# KiCad board BPS-Leader.kicad_pcb (continued)
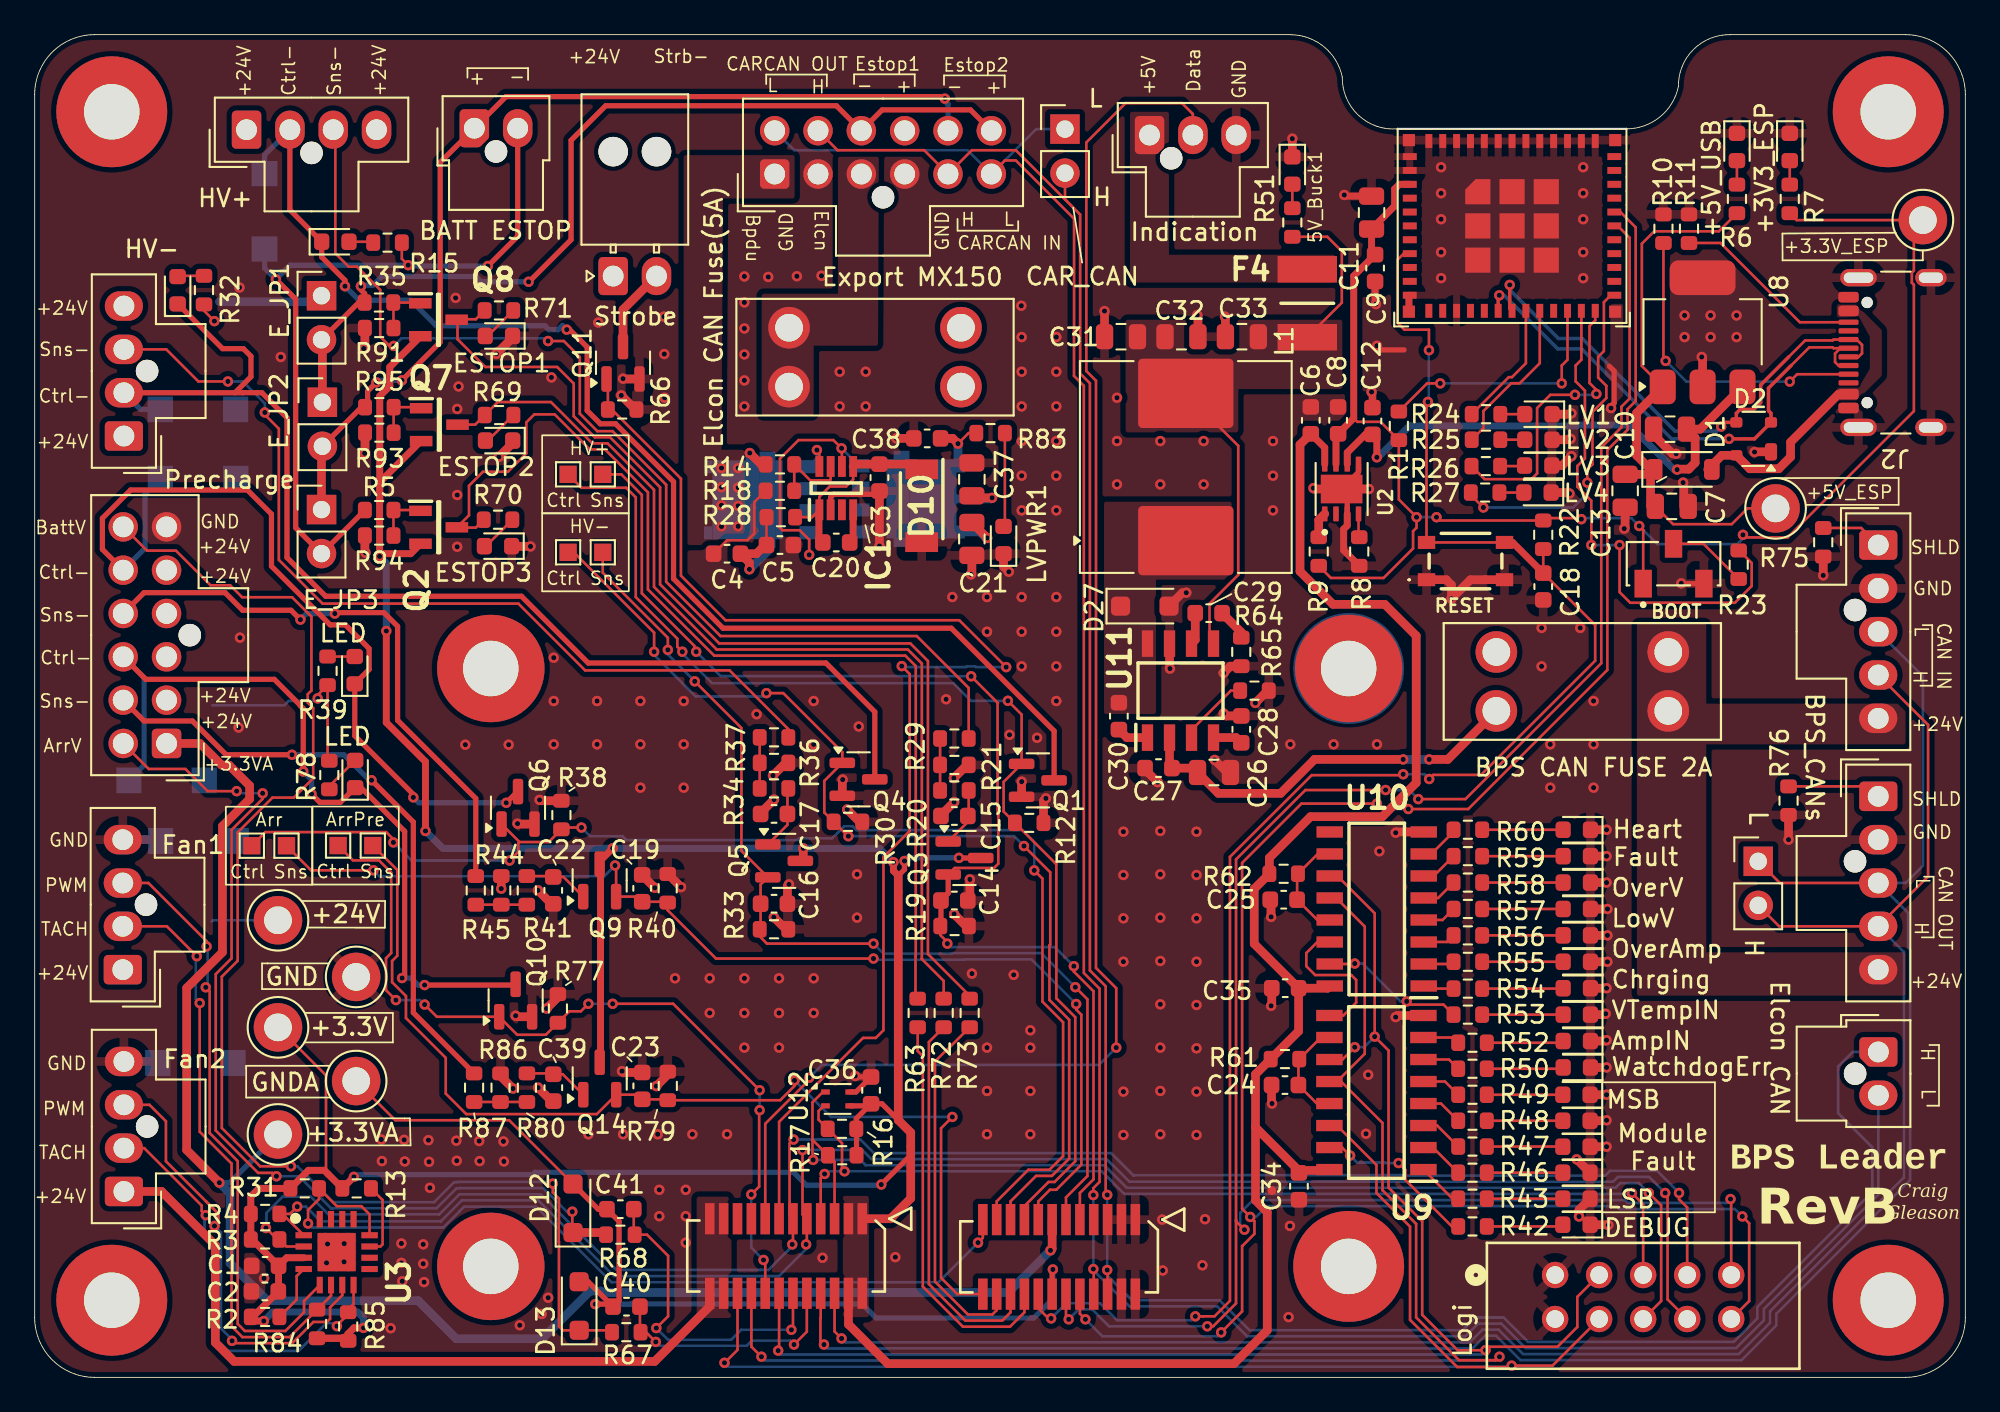
[diagram p0: board, top side]
## Library data of the parts (continued)
J15 J16 = -: Description: Generic connector, single row, 01x05, script generated (kicad-library-utils/schlib/autogen/connector/); ki_fp_filters: Connector*:*_1x??_*
J18 = -: Datasheet: https://tools.molex.com/pdm_docs/sd/1053091303_sd.pdf; Description: Generic connector, single row, 01x03, script generated (kicad-library-utils/schlib/autogen/connector/); Manufactuerer: Molex; P/N: 105309-1303; ki_fp_filters: Connector*:*_1x??_*
J21 = -: Datasheet: https://s3.amazonaws.com/catalogspreads-pdf/PAGE123%20.100%20SFH11%20SERIES%20FEMALE%20HDR%20ST%20RA.pdf; Description: Connector interfacing with logic analyzers; Manufactuerer: Sullins Connector Solutions; ki_fp_filters: CONN_SFH11-xxxC-D05-ST-XX_SUL
L1 = -: Datasheet: https://www.mouser.com/datasheet/2/597/mss1246-270708.pdf; Description: Inductor; P/N: MSS1246-104MLC; Manufactuerer: Coilcraft; ki_fp_filters: Choke_* *Coil* Inductor_* L_*
LOGO1-LOGO4 = -: Description: Graph footprint placeholder
LVPWR1 = -: Description: Light emitting diode; Sim.Pins: 1=K 2=A; P/N: XL-1608UBC-06A; LCSC: C7371904; ki_fp_filters: LED* LED_SMD:* LED_THT:*
Q1 Q3-Q6 Q9-Q11 Q14 = -: Datasheet: https://www.infineon.com/dgdl/irlml0030pbf.pdf?fileId=5546d462533600a401535664773825df; Description: 5.3A Id, 30V Vds, 27mOhm Rds, N-Channel HEXFET Power MOSFET, SOT-23; LCSC: C67272; ki_fp_filters: SOT?23*
Q2 Q7 Q8 = -: Datasheet: https://www.vishay.com/docs/62255/sq2315ces.pdf; Description: MOSFETs P-CHANNEL 12-V (D-S) 175C MOSFET; Height: 1.12; Mouser Part Number: 78-SQ2315CES-T1_GE3; Mouser Price/Stock: https://www.mouser.co.uk/ProductDetail/Vishay/SQ2315CES-T1_GE3?qs=%252BHhoWzUJg4LHCHfqrDPvWg%3D%3D; Manufacturer_Name: Vishay; LCSC: C10487
Q12 Q13 = -: Datasheet: https://www.mouser.com/catalog/specsheets/onsemi_02-27-2025_NVMFWS1D7N04XM-D.pdf; Description: 1 N-Channel MOSFETs 40V 154A Id 1.65mOhm Rds 3.5-20V Vgs; LCSC: C133142
R1 = -: Description: Resistor, US symbol; LCSC: C25804; ki_fp_filters: R_*
R2 R5 R13 R35 R95 = -: Datasheet: https://www.vishay.com/docs/20035/dcrcwe3.pdf; Description: Resistor, US symbol; Manufactuerer: Vishay; P/N: CRCW060310K0FKEI; LCSC: C844778; ki_fp_filters: R_*
R3 R4 R9 R12 R16 R17 R19 R21-R23 R29-R31 R33 R36-R38 R40 R44 R45 R63 R66 R72 R73 R77 R79 R86 R87 R91 R93 R94 = -: Datasheet: https://www.vishay.com/docs/20035/dcrcwe3.pdf; Description: Resistor, US symbol; Manufactuerer: Vishay; P/N: CRCW060310K0FKEI; LCSC: C25804; ki_fp_filters: R_*
R6 R8 = -: Datasheet: https://www.vishay.com/doc?20035; Description: Resistor, US symbol; Manufactuerer: Vishay; P/N: CRCW06031K00FKEI; LCSC: C21190; ki_fp_filters: R_*
R7 R42 R43 R46-R50 R52-R60 = -: Datasheet: https://www.vishay.com/doc?20035; Description: Resistor, US symbol; Manufactuerer: Vishay; P/N: CRCW1206470RFKEA; LCSC: C23179; ki_fp_filters: R_*
R10 R11 = -: Datasheet: https://www.vishay.com/doc?20035; Description: Resistor, US symbol; Manufactuerer: Vishay; P/N: CRCW06035K10FKEC; LCSC: C23186; ki_fp_filters: R_*
R14 = -: Description: Resistor, US symbol; P/N: MCT06030C2003FP500; Mouser Part Number: 594-MCT06030C2003FP5; LCSC: C25811; ki_fp_filters: R_*
R15 R32 R39 R78 = -: Datasheet: https://www.vishay.com/docs/20035/dcrcwe3.pdf; Description: Resistor, US symbol; Manufactuerer: Vishay; P/N: CRCW06034K30FKEA; LCSC: C2907165; ki_fp_filters: R_*
R18 = -: Description: Resistor, US symbol; P/N: MCT06030C9091FP500; Mouser Part Number: 594-MCT06030C9091FP5; LCSC: C3016444; ki_fp_filters: R_*
R20 R34 R41 R80 = -: Datasheet: https://www.vishay.com/docs/20035/dcrcwe3.pdf; Description: Resistor, US symbol; Manufactuerer: Vishay; P/N: CRCW060310K0FKEI; LCSC: C21190; ki_fp_filters: R_*
R24-R27 R69-R71 = -: Datasheet: https://www.vishay.com/docs/20035/dcrcwe3.pdf; Description: Resistor, US symbol; Manufactuerer: Vishay; P/N: CRCW0603120RFKEC; LCSC: C23179; ki_fp_filters: R_*
R28 R61 R62 = -: Description: Resistor, US symbol; P/N: CRCW060310K0FKEI; Mouser Part Number: 71-CRCW060310K0FKEI; LCSC: C25804; ki_fp_filters: R_*
R51 R67 R68 = -: Description: Resistor, US symbol; P/N: CRCW06031K00FKEI; Mouser Part Number: 71-CRCW06031K00FKEI; LCSC: C21190; ki_fp_filters: R_*
R64 = -: Datasheet: https://www.vishay.com/docs/20035/dcrcwe3.pdf; Description: Resistor; P/N: CRCW060316K0FKTA; Manufactuerer: Vishay; LCSC: C137788; ki_fp_filters: R_*
R65 = -: Description: Resistor; ki_fp_filters: R_*
R75 R76 = -: Datasheet: https://www.vishay.com/docs/20035/dcrcwe3.pdf; Description: Resistor, US symbol; Manufactuerer: Vishay; P/N: CRCW060310K0FKEI; LCSC: C21189; ki_fp_filters: R_*
R83 = -: Description: Resistor, US symbol; P/N: CRCW060310K0FKEI; Mouser Part Number: 71-CRCW060310K0FKEI; LCSC: C2907165; ki_fp_filters: R_*
R84 R85 = -: Datasheet: https://www.vishay.com/doc?20035; Description: Resistor, US symbol; Manufactuerer: Vishay; P/N: CRCW06035K10FKEC; LCSC: C25804; ki_fp_filters: R_*
SW1 = -: Datasheet: https://www.omron.com/ecb/products/pdf/en-b3sl.pdf; Description: MEC 5G single pole normally-open tactile switch; Manufactuerer: Omron Electronics; P/N: B3SL-1002P; LCSC: C2886926; ki_fp_filters: SW*MEC*5G*
SW2 = -: Datasheet: https://www.nidec-copal-electronics.com/e/catalog/switch/cjs.pdf; Description: Switch, single pole double throw; Manufactuerer: Nidec Components; P/N: CJS-1200TA; LCSC: C2921628
TP1 TP4 TP5 TP7 TP9 TP11 TP13 TP14 TP16 TP17 TP30 TP31 TP33 TP47 TP48 = -: Description: test point; ki_fp_filters: Pin* Test*
TP2 TP3 = -: Description: 2-polar test point; ki_fp_filters: Pin* Test*
U1 = -: Datasheet: https://www.mouser.com/datasheet/3/1574/1/esp32-c6-mini-1_datasheet_en.pdf; Description: ESP32-C6-MINI-1 is a module that supports 2.4 GHz Wi-Fi 6 (802.11 ax), Bluetooth® 5 (LE), Zigbee and Thread (802.15.4); Manufactuerer: Espressif Systems; P/N: ESP32-C6-MINI-1U; LCSC: C5736265
U2 = -: Datasheet: https://www.ti.com/lit/gpn/tps2115a; Description: 2.8-5.5-V, 84-m?, 1.25-A, power mux with manual, automatic switchover and status output 8-SON -40 to 85; MF: Texas Instruments; MOUSER-PURCHASE-URL: https://snapeda.com/shop?store=Mouser&id=391793; PACKAGE: VSON-8 Texas Instruments; PRICE: None; TEXAS_INSTRUMENTS-PURCHASE-URL: https://snapeda.com/shop?store=Texas+Instruments&id=391793; AVAILABILITY: Warning; Manufactuerer: Texas Instruments; LCSC: C140321
U3 = -: Datasheet: https://ww1.microchip.com/downloads/aemDocuments/documents/MSLD/ProductDocuments/DataSheets/EMC2301-2-3-5-Data-Sheet-DS20006532A.pdf; Manufactuerer: Microchip Technology; LCSC: C621415; ki_fp_filters: QFN16_4x4MC_MCH QFN16_4x4MC_MCH-M QFN16_4x4MC_MCH-L
U8 = -: Datasheet: https://www.analog.com/media/en/technical-documentation/data-sheets/1963aff.pdf; Description: 3.3V, 1.5A, Low Noise, Fast Transient Response LDO Regulator, SOT-223; Manufactuerer: Analog Devices; LCSC: C145411; ki_fp_filters: SOT*223*
U9 = -: Datasheet: https://www.ti.com/lit/ds/symlink/sn74hc594.pdf; Description: 8-Bit Shift Registers With Output Registers; Manufactuerer: Texas Instruments; LCSC: C91727; ki_fp_filters: DIP*W7.62mm* SOIC*3.9x9.9mm*P1.27mm* TSSOP*4.4x5mm*P0.65mm* SOIC*5.3x10.2mm*P1.27mm* SOIC*7.5x10.3mm*P1.27mm*
U10 = -: Datasheet: https://www.ti.com/lit/gpn/sn74hc594; Description: 8-Bit Shift Registers With Output Registers; Manufactuerer: Texas Instruments; LCSC: C91727; ki_fp_filters: DIP*W7.62mm* SOIC*3.9x9.9mm*P1.27mm* TSSOP*4.4x5mm*P0.65mm* SOIC*5.3x10.2mm*P1.27mm* SOIC*7.5x10.3mm*P1.27mm*
U11 = -: Datasheet: https://www.ti.com/lit/ds/symlink/tps5405.pdf?HQS=dis-dk-null-digikeymode-dsf-pf-null-wwe&ts=1744490234630&ref_url=https%253A%252F%252Fwww.ti.com%252Fgeneral%252Fdocs%252Fsuppproductinfo.tsp%253FdistId%253D10%2526gotoUrl%253Dhttps%253A%252F%252Fwww.ti.com%252Flit%252Fgpn%252Ftps5405; Description: Buck Switching Regulator IC Positive Fixed 5V; Manufactuerer: Texas Instruments; LCSC: C488409; ki_fp_filters: D0008A-IPC_A D0008A-IPC_B D0008A-IPC_C D0008A-MFG
U12 = -: Datasheet: https://sensirion.com/media/documents/33FD6951/624C4357/Datasheet_SHT4x.pdf; Description: Digital Humidity and Temperature Sensor, ±1%RH, ±0.1°C, I2C, 1.08-3.6V, 16bit, DFN-4; Manufactuerer: Sensirion; P/N: SHT45-AD1B-R2; LCSC: C5221601; ki_fp_filters: Sensirion?DFN*1.5x1.5mm*P0.8mm*SHT4x*

## Footprints (pads in the part's own frame, mm; a bottom-side part is the same pattern mirrored in y, then rotated)
3568
  round 2.4 hole 1.6: 1(-4.96,1.7) 1(-4.96,-1.7) 2(4.96,1.7) 2(4.96,-1.7)
C_0603_1608Metric
  rrect 0.9x0.95 smd: 1(-0.775,0) 2(0.775,0)
C_0805_2012Metric
  rrect 1x1.45 smd: 1(-0.95,0) 2(0.95,0)
CONN_SFH11-xxxC-D05-ST-XX_SUL
  round 1.524 hole 1.016: 1(0,0) 2(0,-2.54) 3(2.54,0) 4(2.54,-2.54) 5(5.08,0) 6(5.08,-2.54) 7(7.62,0) 8(7.62,-2.54) 9(10.16,0) 10(10.16,-2.54)
D_SOD-123
  rrect 0.9x1.2 smd: 1(-1.65,0) 2(1.65,0)
D_SOD-123F
  rrect 1.1x1.1 smd: 1(-1.4,0) 2(1.4,0)
ESP32-C6-MINI-1
  rect 0.8x0.4 smd: 1(-5.9,1.3) 2(-5.9,0.5) 3(-5.9,-0.3) 4(-5.9,-1.1) 5(-5.9,-1.9) 6(-5.9,-2.7) 7(-5.9,-3.5) 8(-5.9,-4.3) 9(-5.9,-5.1) 10(-5.9,-5.9) 11(-5.9,-6.7) 25(5.9,-6.7) 26(5.9,-5.9) 27(5.9,-5.1) 28(5.9,-4.3) 29(5.9,-3.5) 30(5.9,-2.7) 31(5.9,-1.9) 32(5.9,-1.1) 33(5.9,-0.3) 34(5.9,0.5) 35(5.9,1.3)
  rect 0.4x0.8 smd: 12(-4.8,-7.6) 13(-4,-7.6) 14(-3.2,-7.6) 15(-2.4,-7.6) 16(-1.6,-7.6) 17(-0.8,-7.6) 18(0,-7.6) 19(0.8,-7.6) 20(1.6,-7.6) 21(2.4,-7.6) 22(3.2,-7.6) 23(4,-7.6) 24(4.8,-7.6) 36(4.8,2.2) 37(4,2.2) 38(3.2,2.2) 39(2.4,2.2) 40(1.6,2.2) 41(0.8,2.2) 42(0,2.2) 43(-0.8,2.2) 44(-1.6,2.2) 45(-2.4,2.2) 46(-3.2,2.2) 47(-4,2.2) 48(-4.8,2.2)
  custom 1.45x1.45 smd: 49(-1.975,-0.725)
  rect 1.45x1.45 smd: 49(-1.975,-2.7) 49(-1.975,-4.675) 49(0,-0.725) 49(0,-2.7) 49(0,-4.675) 49(1.975,-0.725) 49(1.975,-2.7) 49(1.975,-4.675)
  rect 0.7x0.7 smd: 50(5.95,2.25) 51(5.95,-7.65) 52(-5.95,-7.65) 53(-5.95,2.25)
FUSC4632X165N
  rect 1.53x3.43 smd: 1(-1.96,0) 2(1.96,0)
L_Coilcraft_MSS1246-XXX
  rrect 4x5.5 smd: 1(-4.25,0) 2(4.25,0)
LeaderSOM
  rect 0.55x1.8 smd: 1(3.474,-8.2) 2(3.474,-3.9) 3(4.274,-8.2) 4(4.274,-3.9) 5(5.074,-8.2) 6(5.074,-3.9) 7(5.874,-8.2) 8(5.874,-3.9) 9(6.674,-8.2) 10(6.674,-3.9) 11(7.474,-8.2) 12(7.474,-3.9) 13(8.274,-8.2) 14(8.274,-3.9) 15(9.074,-8.2) 16(9.074,-3.9) 17(9.874,-8.2) 18(9.874,-3.9) 19(10.674,-8.2) 20(10.674,-3.9) 21(11.474,-8.2) 22(11.474,-3.9) 23(12.274,-8.2) 24(12.274,-3.9) 25(-12.28,-8.15) 26(-12.28,-3.85) 27(-11.48,-8.15) 28(-11.48,-3.85) 29(-10.68,-8.15) 30(-10.68,-3.85) 31(-9.88,-8.15) 32(-9.88,-3.85) 33(-9.08,-8.15) 34(-9.08,-3.85) 35(-8.28,-8.15) 36(-8.28,-3.85) 37(-7.48,-8.15) 38(-7.48,-3.85) 39(-6.68,-8.15) 40(-6.68,-3.85) 41(-5.88,-8.15) 42(-5.88,-3.85) 43(-5.08,-8.15) 44(-5.08,-3.85) 45(-4.28,-8.15) 46(-4.28,-3.85) 47(-3.48,-8.15) 48(-3.48,-3.85)
  round 3.6 hole 3.2: 49(-24.59,-5.45) 50(24.91,-5.45) 51(24.91,-39.95) 52(-24.59,-39.95)
  round 6.4 smd: 49(-24.59,-5.45)
  round 6.4 smd far side: 49(-24.59,-5.45) 52(-24.59,-39.95)
  round 6.2 smd: 50(24.91,-5.45) 51(24.91,-39.95) 52(-24.59,-39.95)
  round 6.2 smd far side: 50(24.91,-5.45) 51(24.91,-39.95)
LED_0603_1608Metric
  rrect 0.875x0.95 smd: 1(-0.787,0) 2(0.787,0)
Molex_Nano-Fit_105309-xx02_1x02_P2.50mm_Vertical
  round 1.3 hole 1.3 unplated: (-1.34,-1.25)
  custom 2.2x1.7 hole 1.2: 1(0,0)
  oval 2.2x1.7 hole 1.2: 2(0,-2.5)
Molex_Nano-Fit_105309-xx03_1x03_P2.50mm_Vertical
  round 1.3 hole 1.3 unplated: (-1.34,-1.25)
  custom 2.2x1.7 hole 1.2: 1(0,0)
  oval 2.2x1.7 hole 1.2: 2(0,-2.5) 3(0,-5)
Molex_Nano-Fit_105309-xx04_1x04_P2.50mm_Vertical
  round 1.3 hole 1.3 unplated: (-1.34,-3.75)
  rrect 2.2x1.7 hole 1.2: 1(0,0)
  oval 2.2x1.7 hole 1.2: 2(0,-2.5) 3(0,-5) 4(0,-7.5)
Molex_Nano-Fit_105309-xx04_1x04_P2.50mm_Vertical#2
  round 1.3 hole 1.3 unplated: (-1.08,-0.68)
  rrect 2.2x1.7 hole 1.2: 1(0.26,3.07)
  oval 2.2x1.7 hole 1.2: 2(0.26,0.57) 3(0.26,-1.93) 4(0.26,-4.43)
Molex_Nano-Fit_105309-xx05_1x05_P2.50mm_Vertical
  round 1.3 hole 1.3 unplated: (-1.34,-3.75)
  rrect 2.2x1.7 hole 1.2: 1(0,0)
  oval 2.2x1.7 hole 1.2: 2(0,-2.5) 3(0,-5) 4(0,-7.5) 5(0,-10)
Molex_Nano-Fit_105310-xx12_2x06_P2.50mm_Vertical
  round 1.3 hole 1.3 unplated: (-1.34,-6.25)
  rrect 1.7x1.7 hole 1.2: 1(0,0)
  round 1.7 hole 1.2: 2(0,-2.5) 3(0,-5) 4(0,-7.5) 5(0,-10) 6(0,-12.5) 7(2.5,0) 8(2.5,-2.5) 9(2.5,-5) 10(2.5,-7.5) 11(2.5,-10) 12(2.5,-12.5)
Molex_Nano-Fit_105313-xx02_1x02_P2.50mm_Horizontal
  round 1.7 hole 1.7 unplated: (7.18,0) (7.18,-2.5)
  rrect 2.2x1.7 hole 1.2: 1(0,0)
  oval 2.2x1.7 hole 1.2: 2(0,-2.5)
MountingHole_3.2mm_M3_Pad_TopBottom
  round 3.6 hole 3.2: 1(0,0)
  round 6.4 smd: 1(0,0)
  round 6.4 smd far side: 1(0,0)
NVMFWS3D0P04M8LT1G
  rect 0.75x1 smd: 1(-1.905,-2.75) 2(-0.635,-2.75) 3(0.635,-2.75) 4(1.905,-2.75)
  rect 0.75x0.48 smd: 5(1.905,3.01) 6(-1.905,3.01)
  rect 4.56x2.72 smd: 7(0,1.41)
  rect 5.56x0.91 smd: 8(0,-0.405)
  rect 4.56x0.42 smd: 9(0,-1.07)
PinHeader_1x02_P2.54mm_Vertical
  rect 1.7x1.7 hole 1: 1(0,0)
  round 1.7 hole 1: 2(0,-2.54)
QFN65P400X400X90-17N-D
  rect 0.95x0.35 smd: 1(-1.9,0.975) 2(-1.9,0.325) 3(-1.9,-0.325) 4(-1.9,-0.975) 9(1.9,-0.975) 10(1.9,-0.325) 11(1.9,0.325) 12(1.9,0.975)
  rect 0.35x0.95 smd: 5(-0.975,-1.9) 6(-0.325,-1.9) 7(0.325,-1.9) 8(0.975,-1.9) 13(0.975,1.9) 14(0.325,1.9) 15(-0.325,1.9) 16(-0.975,1.9)
  rect 2.2x2.2 smd: 17(0,0)
R_0603_1608Metric
  rrect 0.8x0.95 smd: 1(-0.825,0) 2(0.825,0)
Sensirion_DFN-4_1.5x1.5mm_P0.8mm_SHT4x_NoCentralPad
  rect 0.5x0.3 smd: 1(-0.7,0.4) 2(-0.7,-0.4) 3(0.7,-0.4) 4(0.7,0.4)
SODFL4724X108N
  rect 1.14x1.89 smd: 1(-2.1,0) 2(2.1,0)
SODFL5226X100N
  rect 1.45x1.49 smd: 1(-2.175,0) 2(2.175,0)
SOIC127P600X175-16N
  rect 1.525x0.65 smd: 1(-2.712,4.445) 2(-2.712,3.175) 3(-2.712,1.905) 4(-2.712,0.635) 5(-2.712,-0.635) 6(-2.712,-1.905) 7(-2.712,-3.175) 8(-2.712,-4.445) 9(2.712,-4.445) 10(2.712,-3.175) 11(2.712,-1.905) 12(2.712,-0.635) 13(2.712,0.635) 14(2.712,1.905) 15(2.712,3.175) 16(2.712,4.445)
SON65P300X300X100-9N
  rrect 0.86x0.32 smd: 1(-1.435,0.975) 2(-1.435,0.325) 3(-1.435,-0.325) 4(-1.435,-0.975) 5(1.435,-0.975) 6(1.435,-0.325) 7(1.435,0.325) 8(1.435,0.975)
  rect 1.65x2.4 smd: 9(0,0)
SOT65P280X110-8N
  rect 1.2x0.45 smd: 1(-1.25,0.975) 2(-1.25,0.325) 3(-1.25,-0.325) 4(-1.25,-0.975) 5(1.25,-0.975) 6(1.25,-0.325) 7(1.25,0.325) 8(1.25,0.975)
SOT95P237X112-3N
  rect 1.3x0.6 smd: 1(-1.05,0.95) 2(-1.05,-0.95) 3(1.05,0)
SOT-23
  rrect 1.475x0.6 smd: 1(-0.938,0.95) 2(-0.938,-0.95) 3(0.938,0)
SOT-143
  rrect 0.7x1 smd: 1(-1,0.75)
  rrect 0.7x0.6 smd: 2(-1,-0.95) 3(1,-0.95) 4(1,0.95)
SOT-223-3_TabPin2
  rrect 2x1.5 smd: 1(-3.15,2.3) 2(-3.15,0) 3(-3.15,-2.3)
  rrect 2x3.8 smd: 2(3.15,0)
SW_CJS-1200TA
  rect 1x1.6 smd: 1(-1.75,-1.15) 2(0,1.15) 3(1.75,-1.15)
TestPoint_Keystone_5005-5009_Compact
  round 2.8 hole 1.6: 1(0,0)
TestPoint_Pad_1.0x1.0mm
  rect 1x1 smd: 1(0,0)
TL3365AF180QG
  rect 1x0.75 smd: 1(-2.25,-1.075) 2(2.25,-1.075) 3(-2.25,1.075) 4(2.25,1.075)
TPS5405DR
  rect 1.528x0.65 smd: 1(-2.711,1.905) 2(-2.711,0.635) 3(-2.711,-0.635) 4(-2.711,-1.905) 5(2.711,-1.905) 6(2.711,-0.635) 7(2.711,0.635) 8(2.711,1.905)
USB_C_Receptacle_GCT_USB4105-xx-A_16P_TopMnt_Horizontal
  round 0.65 hole 0.65 unplated: (-2.89,2.605) (2.89,2.605)
  rrect 0.6x1.15 smd: A1(-3.2,3.68) A4(-2.4,3.68) A9(2.4,3.68) A12(3.2,3.68) B1(3.2,3.68) B4(2.4,3.68) B9(-2.4,3.68) B12(-3.2,3.68)
  rrect 0.3x1.15 smd: A5(-1.25,3.68) A6(-0.25,3.68) A7(0.25,3.68) A8(1.25,3.68) B5(1.75,3.68) B6(0.75,3.68) B7(-0.75,3.68) B8(-1.75,3.68)
  oval 1x2.1 hole 0.6x1.7: S1(-4.32,3.105) S1(4.32,3.105)
  oval 1x1.8 hole 0.6x1.4: S1(-4.32,-1.075) S1(4.32,-1.075)

## Nets
+3.3V: C1.1 C2.1 C6.1 C34.1 C35.1 C36.1 J1.1 J1.2 J1.3 J1.4 Q2.2 Q3.3 Q5.3 Q7.2 Q8.2 Q9.3 Q14.3 R2.1 R3.1 R4.1 R13.1 R16.1 R17.1 R31.1 R61.1 R62.1 R84.1 R85.1 TP31.1 U2.8 U3.3 U9.16 U10.16 U12.3
+3.3V_ESP: C8.1 C9.1 C11.1 R1.1 R7.1 R9.1 R22.1 SW2.1 TP47.1 U1.3 U2.7
+3.3VA: J1.37 J11.1 TP1.1
+5V_BUCK: C31.1 C32.1 C33.1 F4.1 L1.2 R51.1 U11.5
+24V: C21.1 C26.1 C27.1 C37.1 C38.1 D4.1 D6.1 D7.1 D8.1 D9.1 E_JP1.1 F2.2 F3.2 FAN1.1 FAN2.1 J1.21 J1.22 J1.23 J1.24 J3.1 J5.10 J6.1 J6.4 J9.1 J9.4 J11.2 J11.3 J11.4 J11.5 Q12.5 Q12.6 Q12.7 Q12.8 Q12.9 R32.2 R39.2 R78.2 R83.1 TP33.1 U11.2
/ESP/+3.3V_USB: C10.1 C12.1 U2.6 U8.3
/ESP/+5V_USB: C7.1 C13.1 D1.1 R6.1 TP48.1 U8.1
/ESP/VBUSB: D1.2 D2.4 J2.A4 J2.A9 J2.B4 J2.B9
GND: 5V_Buck1.1 C1.2 C2.2 C3.1 C4.2 C5.2 C6.2 C7.2 C8.2 C9.2 C10.2 C11.2 C12.2 C13.2 C14.1 C15.1 C16.1 C17.1 C18.2 C19.1 C21.2 C22.1 C23.1 C24.2 C25.2 C26.2 C27.2 C28.2 C31.2 C32.2 C33.2 C34.2 C35.2 C36.2 C37.2 C38.2 C39.1 D2.1 D3.1 D4.2 D7.2 D10.2 D11.1 D14.1 D15.1 D16.1 D17.1 D18.1 D19.1 D20.1 D21.1 D22.1 D23.1 D24.1 D25.1 D26.1 D27.2 D28.1 D29.1 D30.1 ESTOP1.1 ESTOP2.1 ESTOP3.1 FAN1.4 FAN2.4 IC1.2 J1.25 J1.26 J1.27 J1.28 J1.29 J2.A1 J2.A12 J2.B1 J2.B12 J2.S1 J5.2 J5.4 J11.6 J15.2 J16.2 J18.3 J21.1 J21.2 LV1.1 LV2.1 LV3.1 LV4.1 LVPWR1.1 Q1.2 Q4.2 Q6.2 Q10.2 Q11.2 R8.2 R10.2 R11.2 R12.1 R18.2 R19.2 R21.1 R30.1 R33.2 R36.1 R38.1 R40.2 R44.1 R64.2 R65.2 R66.2 R75.1 R76.1 R77.1 R79.2 R86.1 R91.1 R93.1 R94.1 SW1.1 SW1.2 SW2.3 TP30.1 U1.1 U1.2 U1.11 U1.14 U1.36 U1.37 U1.38 U1.39 U1.40 U1.41 U1.42 U1.43 U1.44 U1.45 U1.46 U1.47 U1.48 U1.49 U1.50 U1.51 U1.52 U1.53 U2.3 U2.5 U2.9 U3.17 U8.2 U9.8 U10.8 U11.7 U12.4
GNDA: C40.1 C41.1 D12.2 D13.2 J1.38 TP5.1
/ARRAY_CONTROL: J1.45 Q6.1 R38.2 TP13.1
/ARRAY_CONTROL-: Array1.1 D8.2 J11.11 Q6.3
/ARRAY_PRE_CONTROL: J1.16 Q10.1 R77.2 TP16.1
/ARRAY_PRE_CONTROL-: ArrayPre1.1 D9.2 J11.9 Q10.3
/ARRAY_PRE_SENSE: C23.2 J1.48 Q14.2 R79.1 TP17.1
/ARRAY_PRE_SENSE-: J11.8 R87.2
/ARRAY_SENSE: C19.2 J1.39 Q9.2 R40.1 TP14.1
/ARRAY_SENSE-: J11.10 R45.2
/Array_Voltage: C41.2 J1.12 R68.1
/Batt_Voltage: C40.2 J1.10 R67.1
/BBPDU_LV+: C4.1 C5.1 J5.1 Q13.5 Q13.6 Q13.7 Q13.8 Q13.9 R14.1 R28.1
/BPS_CAN_H: J1.6 J15.4 J16.4 TP2.2
/BPS_CAN_L: J1.8 J15.3 J16.3 TP2.1
/CAR_CAN_H: J1.30 J5.5 J5.8 J8.1 TP3.2
/CAR_CAN_L: J1.32 J5.6 J5.7 J8.2 TP3.1
/ELCON_LV+: F2.1 J5.3
/ESP/BOOT: R23.2 U1.23
/ESP/CC1: J2.A5 R10.1
/ESP/CC2: J2.B5 R11.1
/ESP/LED1: R24.1 U1.19
/ESP/LED2: R25.1 U1.20
/ESP/LED3: R26.1 U1.24
/ESP/LED4: R27.1 U1.25
/ESP/USB_D+: D2.3 J2.A6 J2.B6 U1.18
/ESP/USB_D-: D2.2 J2.A7 J2.B7 U1.17
/ESP_RESET: C18.1 J1.40 R22.2 SW1.3 SW1.4 U1.8
/ESP_UART_RX: J1.36 J21.9 U1.30
/ESP_UART_TX: J1.34 J21.10 U1.31
/ESTOP_1-/2+: E_JP1.2 E_JP2.1 J5.9 J5.12 R35.2
/ESTOP_1_SENSE: J1.46 R73.2
/ESTOP_2-: E_JP2.2 E_JP3.1 J5.11 J10.1 R95.2
/ESTOP_2_SENSE: J1.44 R72.2
/ESTOP_3_SENSE: J1.42 R63.2
/ESTOP_OUT: D5.1 E_JP3.2 J10.2 R5.2 R15.2
/Fan Controller/ADDRESS_PULLUP: R2.2 U3.4
/Fan Controller/CLK_PULLUP: R13.2 U3.11
/Fan Controller/FAN_1_PWM: FAN1.3 U3.5
/Fan Controller/FAN_1_TACH: FAN1.2 R84.2 U3.6
/Fan Controller/FAN_2_PWM: FAN2.3 U3.7
/Fan Controller/FAN_2_TACH: FAN2.2 R85.2 U3.8
/FAN_ALERT: J1.47 R31.2 U3.12
/FAN_SCL: J1.11 J21.7 R3.2 U3.2
/FAN_SDA: J1.9 J21.8 R4.2 U3.1
/HTSense_SCL: J1.7 J21.5 R16.2 U12.2
/HTSense_SDA: J1.5 J21.6 R17.2 U12.1
/HV+ Contactor/HV+_CONTROL-: D5.2 D32.1 J6.2 Q1.3
/HV+_CONTROL: J1.41 Q1.1 R12.2 TP4.1
/HV+_SENSE: C14.2 J1.33 Q3.2 R19.1 TP7.1
/HV- Contactor/HV-_CONTROL-: D6.2 D31.1 J9.2 Q4.3
/HV-_CONTROL: J1.43 Q4.1 R30.2 TP9.1
/HV-_SENSE: C16.2 J1.35 Q5.2 R33.1 TP11.1
/Indication Board Connection/ROSC: R65.1 U11.3
/INDICATION_BOARD_CONNECTION: J1.15 J18.2
/LED_RCLK: J1.18 U9.12 U10.12
/LED_SER: J1.20 J21.4 U9.14
/LED_SRCLK: J1.14 J21.3 U9.11 U10.11
/POWER/RPP_EN: C3.2 C20.1 D10.1 IC1.1 IC1.5 R28.2
/STROBE_CONN_3.3V: J1.13 Q11.1 R66.1
FUSED_+24V: F3.1 J15.5 J16.5
Net-(5V_Buck1-A): 5V_Buck1.2 R51.2
Net-(Array1-A): Array1.2 R39.1
Net-(ArrayPre1-A): ArrayPre1.2 R78.1
Net-(C29-Pad2): C29.2 R64.1
Net-(D3-A): D3.2 R6.2
Net-(D11-A): D11.2 R7.2
Net-(D12-K): D12.1 J11.7 R68.2
Net-(D13-K): D13.1 J11.12 R67.2
Net-(D14-A): D14.2 R42.2
Net-(D15-A): D15.2 R43.2
Net-(D16-A): D16.2 R46.2
Net-(D17-A): D17.2 R47.2
Net-(D18-A): D18.2 R48.2
Net-(D19-A): D19.2 R49.2
Net-(D20-A): D20.2 R50.2
Net-(D21-A): D21.2 R52.2
Net-(D22-A): D22.2 R53.2
Net-(D23-A): D23.2 R54.2
Net-(D24-A): D24.2 R55.2
Net-(D25-A): D25.2 R56.2
Net-(D26-A): D26.2 R57.2
Net-(D27-K): C30.2 D27.1 L1.1 U11.8
Net-(D28-A): D28.2 R59.2
Net-(D29-A): D29.2 R60.2
Net-(D30-A): D30.2 R58.2
Net-(D31-A): D31.2 R32.1
Net-(D32-A): D32.2 R15.1
Net-(ESTOP1-A): ESTOP1.2 R71.2
Net-(ESTOP2-A): ESTOP2.2 R69.2
Net-(ESTOP3-A): ESTOP3.2 R70.2
Net-(IC1-GATE): IC1.6 Q12.4 Q13.4
Net-(IC1-OV): IC1.7 R14.2 R18.1
Net-(IC1-SRC): IC1.8 Q12.1 Q12.2 Q12.3 Q13.1 Q13.2 Q13.3
Net-(IC1-VCAP): C20.2 IC1.4
Net-(J3-Pin_2): J3.2 Q11.3
Net-(J6-Sense-): J6.3 R29.2
Net-(J9-Sense-): J9.3 R37.2
Net-(J15-Pin_1): J15.1 R75.2
Net-(J16-Pin_1): J16.1 R76.2
Net-(J18-Pin_1): F4.2 J18.1
Net-(LV1-A): LV1.2 R24.2
Net-(LV2-A): LV2.2 R25.2
Net-(LV3-A): LV3.2 R26.2
Net-(LV4-A): LV4.2 R27.2
Net-(LVPWR1-A): LVPWR1.2 R83.2
Net-(Q2-D): Q2.3 R63.1 R70.1
Net-(Q2-G): Q2.1 R5.1 R94.2
Net-(Q3-G): C15.2 Q3.1 R20.1
Net-(Q5-G): C17.2 Q5.1 R34.1
Net-(Q7-D): Q7.3 R69.1 R72.1
Net-(Q7-G): Q7.1 R93.2 R95.1
Net-(Q8-D): Q8.3 R71.1 R73.1
Net-(Q8-G): Q8.1 R35.1 R91.2
Net-(Q9-G): C22.2 Q9.1 R41.1
Net-(Q14-G): C39.2 Q14.1 R80.1
Net-(R20-Pad2): R20.2 R21.2 R29.1
Net-(R34-Pad2): R34.2 R36.2 R37.1
Net-(R41-Pad2): R41.2 R44.2 R45.1
Net-(R80-Pad2): R80.2 R86.2 R87.1
Net-(SW2-B): R23.1 SW2.2
Net-(U1-GPIO8): R1.2 U1.22
Net-(U2-ILIM): R8.1 U2.4
Net-(U2-STAT): R9.2 U2.1
Net-(U9-QA): R42.1 U9.15
Net-(U9-QB): R43.1 U9.1
Net-(U9-QC): R46.1 U9.2
Net-(U9-QD): R47.1 U9.3
Net-(U9-QE): R48.1 U9.4
Net-(U9-QF): R49.1 U9.5
Net-(U9-QG): R50.1 U9.6
Net-(U9-QH): R52.1 U9.7
Net-(U9-~{RCLR}): C24.1 R61.2 U9.10 U9.13
Net-(U10-QA): R53.1 U10.15
Net-(U10-QB): R54.1 U10.1
Net-(U10-QC): R55.1 U10.2
Net-(U10-QD): R56.1 U10.3
Net-(U10-QE): R57.1 U10.4
Net-(U10-QF): R58.1 U10.5
Net-(U10-QG): R59.1 U10.6
Net-(U10-QH): R60.1 U10.7
Net-(U10-SER): U9.9 U10.14
Net-(U10-~{RCLR}): C25.1 R62.2 U10.10 U10.13
Net-(U11-BOOT): C30.1 U11.1
Net-(U11-COMP): C29.1 U11.6
Net-(U11-SS): C28.1 U11.4

Pads without a net: H1 1; H2 1; H3 1; H4 1; IC1 3; J1 17 19 31 49 50 51 52; J2 A8 B8; U1 4 5 6 7 9 10 12 13 15 16 21 26 27 28 29 32 33 34 35; U2 2; U3 9 10 13 14 15 16; U10 9

## Via types
v1: diameter 0.6, hole 0.3, Top to Bottom, 475 vias

## Routing (per net, layer and track width the routed paths; a pad name or vN(x,y) marks a point on that pad's centre or on a via; arc(x,y) is an arc through that point)
+3.3V: length 290.1
  Top w0.15: 16.93,11.73 16.81,11.85 16.81,17.42 TP31.1
  Top w0.3: U12.3 48.14,15.67 C36.1 ; C36.1 48.89,15.79 50.55,14.12 ; C36.1 47.41,14.93 R16.1 47.42,14.33 R17.1 ; 50.55,13.33 50.55,12.83 v1(48.85,11.12) ; v1(53.33,29.98) 53.34,29.97 Q3.3 ; v1(50.19,29.8) 50.19,29.31 49.83,28.95
  Top w0.4: 19.9,50.47 19.9,51.64 22.28,54.02 ; 19.9,50.47 19.91,50.48 19.91,56.62 20.49,57.2 20.49,58.29 22.3,60.1 ; 19.9,50.47 v1(19.9,47.37) 20.06,47.53 21.7,47.53 22.25,48.08 ; C6.1 74.44,53.64 U2.8 ; v1(13.22,3.25) 12.71,3.25 R2.1 12.59,3.49 C2.1 14.07,4.97 C1.1 ; C1.1 14.54,6.9 15.53,6.9 ; C1.1 12.55,7.96 R3.1 R4.1 12.47,10.44 12.94,10.9 R31.1 15.8,11.95 16.71,11.95 R13.1 v1(18.42,11.57) ; v1(20.29,43.07) 20.29,37.79 22.55,35.53 v1(22.55,31.53) ; 49.83,28.95 49.55,29.23 v1(49.55,29.73) ; v1(18.98,2.86) 18.43,2.86 18.07,2.5 18.07,2.25 R84.1 17.68,2.25 ; Q14.3 32.65,18.23 32.65,29.56 Q9.3 32.6,29.77 v1(33.35,30.53)
  Top w0.5: Q5.3 44.35,29.97 v1(44.35,30.53) ; J1.1 49.38,9.15 50.55,10.33 50.55,14.12 49.83,14.84 49.83,28.95 ; 70.44,14.43 70.44,17.49 R61.1 72.93,19.98 C35.1 ; 70.44,14.43 72.93,11.94 74.66,11.94 U9.16 ; 70.44,14.43 70.44,10.21 71.12,9.54 71.12,2.71 69.2,0.79 49.22,0.79 46.95,3.06 J1.4 ; C35.1 70.37,25.02 70.37,28.18 R62.1 71.24,29.97 73.62,32.35 77.76,32.35 79.71,34.31 79.71,42.79 77.9,44.6 74.91,44.6 73.01,46.51 73.01,53.82 C6.1 ; C35.1 74.6,22.45 74.73,22.58
  Bottom w0.3: v1(18.42,11.57) 18.55,11.7 28.74,11.7 28.87,11.83 43.79,11.83 44.54,11.08 48.81,11.08 v1(48.85,11.12) ; v1(53.33,29.98) 50.37,29.98 v1(50.19,29.8)
  Bottom w0.4: v1(19.9,47.37) 20.29,46.98 v1(20.29,43.07) ; v1(13.22,3.25) 13.74,3.77 18.64,3.77 18.98,3.43 v1(18.98,2.86) ; v1(49.55,29.73) 48.75,30.53 v1(44.35,30.53) v1(33.35,30.53) 23.55,30.53 v1(22.55,31.53)
+3.3V_ESP: length 90.5
  Top w0.15: SW2.1 92.81,48.89 v1(92.58,49.12) ; v1(89.24,49.52) 89.18,49.58 87.19,49.58 R22.1 81.08,49.44 v1(80.89,49.63) ; R7.1 101.67,66.78 TP47.1 108.43,66.25 108.43,63.86 108.31,63.74 108.31,63.16 108.43,63.04 108.43,55.75 101.14,48.46 98.72,48.46 v1(98.57,48.61) 98.78,48.61 ; R9.1 74.79,46.12 77.83,46.12 79.53,47.83 79.53,48.83 79.73,49.03 v1(79.73,49.63) 78.71,50.65 R1.1 77.66,55.13 76.32,55.13 76.11,55.35
  Top w0.4: U2.7 75.09,54.32 C8.1 76.11,55.35 76.11,63.55 C9.1 77.14,64.99 C11.1 78.47,67.59 78.47,68.57 78.74,68.84 79.35,68.84
  Bottom w0.15: v1(98.57,48.61) 98.57,48.41 98.24,48.08 93.63,48.08 v1(92.58,49.12) 92.13,49.58 89.3,49.58 v1(89.24,49.52) ; v1(79.73,49.63) v1(80.89,49.63)
+3.3VA: length 93.6
  Top w0.5: v1(58.61,7.33) 58.71,7.42 J1.37 ; J11.1 9.54,36.58 10.79,35.32 11.22,35.32 12.4,34.14 12.4,33.39 12.41,33.38 10.84,31.81 10.84,24.53 8.77,22.47 8.77,13.12 v1(10.66,11.23)
  Bottom w0.3: v1(10.66,11.23) 11.26,11.23 TP1.1
  Bottom w0.5: v1(10.66,11.23) 11.28,10.61 11.28,6.58 13.44,4.42 22.14,4.42 24.33,2.23 29.29,2.23 32.04,4.98 32.66,4.98 32.74,4.9 56.18,4.9 v1(58.61,7.33)
+5V_BUCK: length 29.5
  Top w0.15: L1.2 69.45,53.75 69.45,46.3 67.79,44.65 67.79,42.57 U11.5 ; F4.1 75.42,62.01 75.42,64.98 74.59,65.81 R51.1
  Top w0.5: 65,56.78 L1.2 ; L1.2 65.22,57.98 ; L1.2 67.34,56.78
+24V: length 101
  Top w0.15: v1(10.37,60.95) 9.77,61.55 R32.2 ; v1(53.28,53.87) 53.89,54.48 R83.1 ; R78.2 16.9,35.68 16.9,39.94 16.33,39.37 v1(16.33,39.18)
  Top w0.5: FAN2.1 7.33,10.73 10.43,7.63 10.43,2.01 11.51,0.92 35.77,0.92 38.95,4.1 J1.24 ; v1(80.46,35.66) 81.54,35.66 F3.2 ; v1(78.96,35.66) 73.85,35.66 71.89,33.7 68.3,33.7 C26.1 66.84,35.15 C27.1 65.48,35.29 U11.2 ; v1(55.24,50.75) 54.19,50.75 C37.1 ; C38.1 52.97,54.18 v1(53.28,53.87) ; v1(54.96,48.44) 54.08,49.32 C21.1
  Bottom w0.15: 10.21,26.31 10.28,26.38 TP33.1 ; 10.26,38.78 14.41,38.78 14.66,39.03 16.19,39.03 v1(16.33,39.18)
  Bottom w0.5: v1(80.46,35.66) v1(78.96,35.66) ; 10.66,62.07 16.2,62.07 E_JP1.1 16.16,62.03 ; v1(53.28,53.87) 53.28,52.75 Q12.5 ; Q12.7 55.18,50.69 v1(55.24,50.75) ; v1(54.96,48.44) 54.89,48.44 54.55,48.78 Q12.6
/ESP/+3.3V_USB: length 30.7
  Top w0.4: v1(77.44,53.09) 77.44,54.15 C12.1 76.78,54.41 75.74,53.36 75.74,52.69
  Top w0.5: v1(94.77,52.38) 94.8,52.4 95.44,52.4 95.81,52.78 95.81,54.21 C10.1 96.1,54.71 U8.3
  Bottom w0.4: v1(94.77,52.38) 94.6,52.38 92.02,54.95 89.02,54.95 88.97,54.9 79.33,54.9 77.51,53.09 v1(77.44,53.09)
/ESP/+5V_USB: length 32.4
  Top w0.15: C7.1 94.54,49.23 97.92,49.23 98.83,50.14 TP48.1 ; R6.1 97.18,66.13 93.45,66.13 92.73,65.41 92.73,58.36 U8.1
  Top w0.5: D1.1 93.19,52.11 C13.1 ; U8.1 92.43,55.64 92.43,53.19 93.24,52.39 93.24,50.27 93.25,50.26
/ESP/VBUSB: length 11.1
  Top w0.5: 96.54,52.39 97.35,53.2 D2.4 98.96,52.43 100.64,52.43 101.32,53.11 101.32,53.96 104.09,56.73 J2.A4
GND: length 135.2
  Top w0.15: R18.2 41.53,50.51 41.53,48.69 41.14,48.3 39.95,48.3 C4.2
  Top w0.3: v1(77.45,59.53) 77.69,59.29 79.01,59.29 ; C3.1 48.55,50.95 46.1,50.95 45.93,50.78 IC1.2 ; U12.4 47.39,16.47 C36.2 47.4,17.34 v1(47.35,17.39) ; 90.86,58.34 91.14,58.07 91.14,56.22 90.96,56.05 v1(90.96,55.93) ; U2.5 76.39,52.23 U2.9 75.74,50.93 75.74,49.82 ; SW2.3 95.03,45.8 v1(95.01,45.82)
  Top w0.4: v1(77.14,56.86) 77.19,56.81 C12.2 ; 75.74,49.82 75.74,49.15 75.53,48.94 75.53,47.73 R8.2 ; C11.2 75.63,68.16 v1(75.56,68.23) ; v1(77.39,61.93) 77.34,61.98 C9.2 ; U1.52 79.3,62.39 79.35,62.44
  Top w0.5: v1(42.65,26.55) 43.35,25.85 R33.2 ; v1(68.08,35.62) 68.81,34.9 C26.2 ; U10.8 78.57,31.47 v1(78.53,31.43) ; D17.1 90.69,13.31 v1(90.7,13.31) ; v1(95.12,51.63) 95.15,51.59 95.15,50.26 ; D15.1 89.11,9.67 v1(89.11,9.28) ; v1(26.64,59.06) 27.57,59.99 ESTOP1.1 ; R64.2 69,41.03 v1(68.6,40.64) ; v1(33.95,57.63) 33.97,57.61 Q11.2 ; C23.1 33.97,17.59 v1(33.89,17.67) ; C27.2 64.07,35.07 v1(64.79,34.34) ; v1(27.6,16.66) 26.88,17.38 R86.1 ; v1(43.52,28.45) 43.44,28.36 C16.1 ; R19.2 53.74,26.04 v1(53.05,26.73) ; C21.2 54.08,46.38 v1(54.03,46.33) ; LV1.1 88.62,55.58 v1(88.67,55.63) ; D22.1 90.6,20.93 v1(90.65,20.98) ; v1(58.35,33.41) 58.21,33.27 R12.1 ; D27.2 66.23,45.28 v1(66.45,45.28) ; v1(65.51,40.89) 65.48,40.92 U11.7 ; Q4.2 46.6,34.47 v1(46.62,34.49) ; D24.1 v1(90.75,23.98) ; C38.2 v1(49.72,54.18) ; v1(56.21,46.48) 55.9,46.79 LVPWR1.1 ; D20.1 v1(90.7,17.88) ; R94.1 19.05,47.62 v1(19.09,47.58) ; v1(27.86,31.95) 27.88,31.93 Q6.2 ; v1(70.43,38.91) 71.14,39.62 R65.2 ; v1(96.19,58.88) 96.24,58.83 U8.2 ; SW1.1 81.45,46.03 81.75,45.73 v1(81.75,44.93) 82.85,46.03 83.7,46.03 SW1.2 ; C33.2 68.71,61.18 v1(68.68,61.21) ; R44.1 26.92,28.2 v1(26.92,28.2) ; v1(42.6,34.72) 43.33,35.46 R36.1 ; D2.1 99.25,53.4 v1(99.24,53.39) ; v1(53.05,33.2) 52.29,32.44 C15.1 ; v1(90.8,8.79) 90.78,8.81 D14.1 ; v1(37.3,28.29) 36.54,29.04 R40.2 ; v1(35.78,28.25) 35.05,28.98 C19.1 ; D25.1 v1(90.75,25.5) ; v1(46.88,32.77) 47.6,32.05 R30.1 ; U9.8 78.62,20.88 v1(78.53,20.79) ; v1(33.85,56.66) 34.66,55.85 R66.2 ; v1(71.39,15.8) 71.37,15.82 C24.2 ; v1(27.75,20.87) 27.81,20.81 Q10.2 ; ESTOP2.1 27.58,53.91 v1(26.78,53.11) ; C28.2 68.74,38.16 v1(68.6,38.3) ; v1(28.61,47.95) 27.54,47.95 ESTOP3.1 ; v1(29.13,33.32) 29.18,33.27 R38.1 ; C31.2 61.73,61.52 v1(61.73,61.53) ; v1(19.04,53.32) 19.06,53.34 R93.1 ; v1(35.87,16.8) 36.53,17.47 R79.2 ; D19.1 v1(90.7,16.31) ; v1(29.05,16.72) 29.82,15.94 C39.1 ; v1(18.99,59.36) 19.05,59.43 R91.1 ; R77.1 30.19,21.93 v1(29.54,21.28) ; C10.2 93.41,54.39 94.51,53.29 v1(94.72,53.29) ; D23.1 v1(90.7,22.45) ; D28.1 v1(90.7,30.07) ; C17.1 41.89,32.56 v1(42.66,33.34) ; v1(71.34,26.57) 71.34,27.51 C25.2 ; v1(53.04,34.58) 53.8,35.34 R21.1 ; D16.1 89.71,11.85 89.7,11.85 v1(88.97,12.58) ; v1(88.67,53.15) 88.13,52.61 LV3.1 ; v1(53.96,28.73) 53.96,27.63 C14.1 ; C3.1 v1(48.74,47.97) ; Q1.2 56.95,34.37 v1(56.95,34.37) ; D18.1 90.67,14.81 v1(90.7,14.83) ; LV4.1 88.5,51.05 v1(88.56,50.99) ; v1(67.08,61.3) 67.12,61.25 C32.2 ; D21.1 90.65,19.41 v1(90.7,19.46) ; 71.38,10.78 71.39,10.77 ; v1(73.79,51.31) 73.84,51.26 U2.9 v1(76.99,51.26) ; C13.2 91.77,49.02 v1(91.72,48.97) ; v1(71.34,21.44) 71.38,21.48 C35.2 ; D26.1 v1(90.75,27.03) ; D29.1 v1(90.7,31.6) ; LV2.1 88.57,54.1 v1(88.62,54.15) ; 5V_Buck1.1 v1(72.57,71.48) ; C22.1 29.82,27.32 v1(29.04,28.1) ; R75.1 v1(103.2,46.28) ; R76.1 v1(101.2,31.03) ; D30.1 v1(90.7,28.55)
  Bottom w0.5: D4.2 7.2,31.03 FAN1.4 ; D7.2 7.03,18.23 FAN2.4
  vias: v1(11.77,37.5) v1(11.82,62.89) v1(11.85,42.68) v1(13.24,5.71) v1(14.2,58.88) v1(16.84,6.61) v1(16.9,7.7) v1(17.86,7.72) v1(17.85,6.67) v1(20,13.73) v1(20.03,12.48) v1(20.54,2.84) v1(21.16,7.73) v1(21.16,6.61) v1(21.21,5.55) v1(21.32,13.71) v1(21.35,12.46) v1(22.42,7.68) v1(22.42,6.56) v1(22.47,5.5) v1(22.72,13.69) v1(22.75,12.44) v1(22.81,10.94) v1(24.29,62.29) v1(24.38,55.88) v1(24.38,50.91) v1(24.38,47.93) v1(24.33,13.66) v1(24.35,12.5) v1(24.46,57.18) v1(24.85,36.51) v1(25.65,13.64) v1(25.67,12.48) v1(27.05,13.62) v1(27.07,12.46) v1(27.35,36.51) v1(27.99,3.01) v1(29.26,3.66) v1(29.63,4.59) v1(29.82,57.7) v1(29.95,41.53) v1(29.95,39.03) v1(29.95,36.53) v1(31.95,14.03) v1(32.45,39.03) v1(32.45,36.53) v1(32.52,60.87) v1(33.95,14.03) v1(34.95,39.03) v1(34.95,36.53) v1(34.95,34.03) v1(35.95,14.03) v1(36.04,10.82) v1(36.04,9.3) v1(36.31,61.21) v1(36.33,59.05) v1(36.35,56.53) v1(36.95,23.03) v1(37.45,39.03) v1(37.45,36.53) v1(37.45,34.03) v1(37.57,10.82) v1(37.57,9.3) v1(37.57,7.77) v1(37.95,14.03) v1(38.95,23.03) v1(38.95,21.03) v1(39.95,14.03) v1(40.95,63.53) v1(40.95,62.03) v1(40.95,60.53) v1(40.95,59.03) v1(40.95,57.53) v1(40.95,56.03) v1(40.95,23.03) v1(40.95,21.03) v1(40.95,19.03) v1(41.66,38.26) v1(42.33,63.5) v1(42.95,23.03) v1(42.95,21.03) v1(42.95,19.03) v1(43.98,63.54) v1(44.95,39.03) v1(44.95,36.53) v1(44.95,23.03) v1(44.95,21.03) v1(45.4,63.57) v1(45.46,6.9) v1(46.45,58.03) v1(46.45,56.03) v1(47.45,29.03) v1(47.45,26.53) v1(47.55,37.56) v1(47.95,58.03) v1(47.95,56.03) v1(49.66,6.94) v1(52.59,39.12) v1(52.95,45.03) v1(54.08,23.3) v1(54.95,45.03) v1(54.95,43.03) v1(54.95,19.03) v1(54.95,16.53) v1(54.95,14.03) v1(56.25,37.08) v1(56.49,23.23) v1(56.93,61.83) v1(56.95,60.03) v1(56.95,58.03) v1(56.95,56.03) v1(56.95,54.03) v1(56.95,52.03) v1(56.95,50.03) v1(56.95,45.03) v1(56.95,43.03) v1(56.95,41.03) v1(57.45,20.03) v1(57.45,19.03) v1(57.45,16.53) v1(57.45,14.03) v1(57.84,36.91) v1(58.95,60.03) v1(58.95,58.03) v1(58.95,56.03) v1(58.95,54.03) v1(58.95,52.03) v1(58.95,50.03) v1(58.95,45.03) v1(58.95,43.03) v1(58.95,41.03) v1(58.95,39.03) v1(62.45,56.53) v1(62.45,54.03) v1(62.45,51.53) v1(62.82,31.48) v1(62.82,28.98) v1(62.82,26.48) v1(62.82,23.98) v1(62.82,16.48) v1(62.82,13.98) v1(64.95,54.03) v1(64.95,51.53) v1(64.95,31.53) v1(64.95,29.03) v1(64.95,26.53) v1(64.95,24.03) v1(64.95,21.53) v1(64.95,19.03) v1(64.95,16.53) v1(64.95,14.03) v1(65.06,9.1) v1(65.09,6.17) v1(67.04,31.48) v1(67.04,28.98) v1(67.04,26.48) v1(67.04,23.98) v1(67.04,21.48) v1(67.04,18.98) v1(67.04,16.48) v1(67.04,13.98) v1(67.38,6.47) v1(67.45,54.03) v1(67.45,51.53) v1(67.53,9.12) v1(71.45,54.03) v1(71.45,52.03) v1(71.45,50.03) v1(72.35,3.48) v1(72.45,36.53) v1(72.43,8.73) v1(74.95,36.53) v1(76.82,14.06) v1(76.95,17.46) v1(77.45,36.53) v1(77.59,30.36) v1(81.15,69.83) v1(81.15,68.33) v1(81.15,66.83) v1(81.15,64.93) v1(81.15,63.43) v1(86.95,43.24) v1(86.95,41.03) v1(87.45,36.53) v1(87.45,34.03) v1(89.18,43.24) v1(89.35,69.83) v1(89.35,68.33) v1(89.35,66.83) v1(89.35,64.93) v1(89.35,63.43) v1(89.95,39.03) v1(89.95,36.53) v1(89.95,34.03) v1(95.2,61.28) v1(95.2,60.03) v1(96.7,61.28) v1(96.7,60.03) v1(98.2,61.28) v1(98.2,60.03)
